# KiCad board Galatea Keyboard PCB.kicad_pcb (continued)
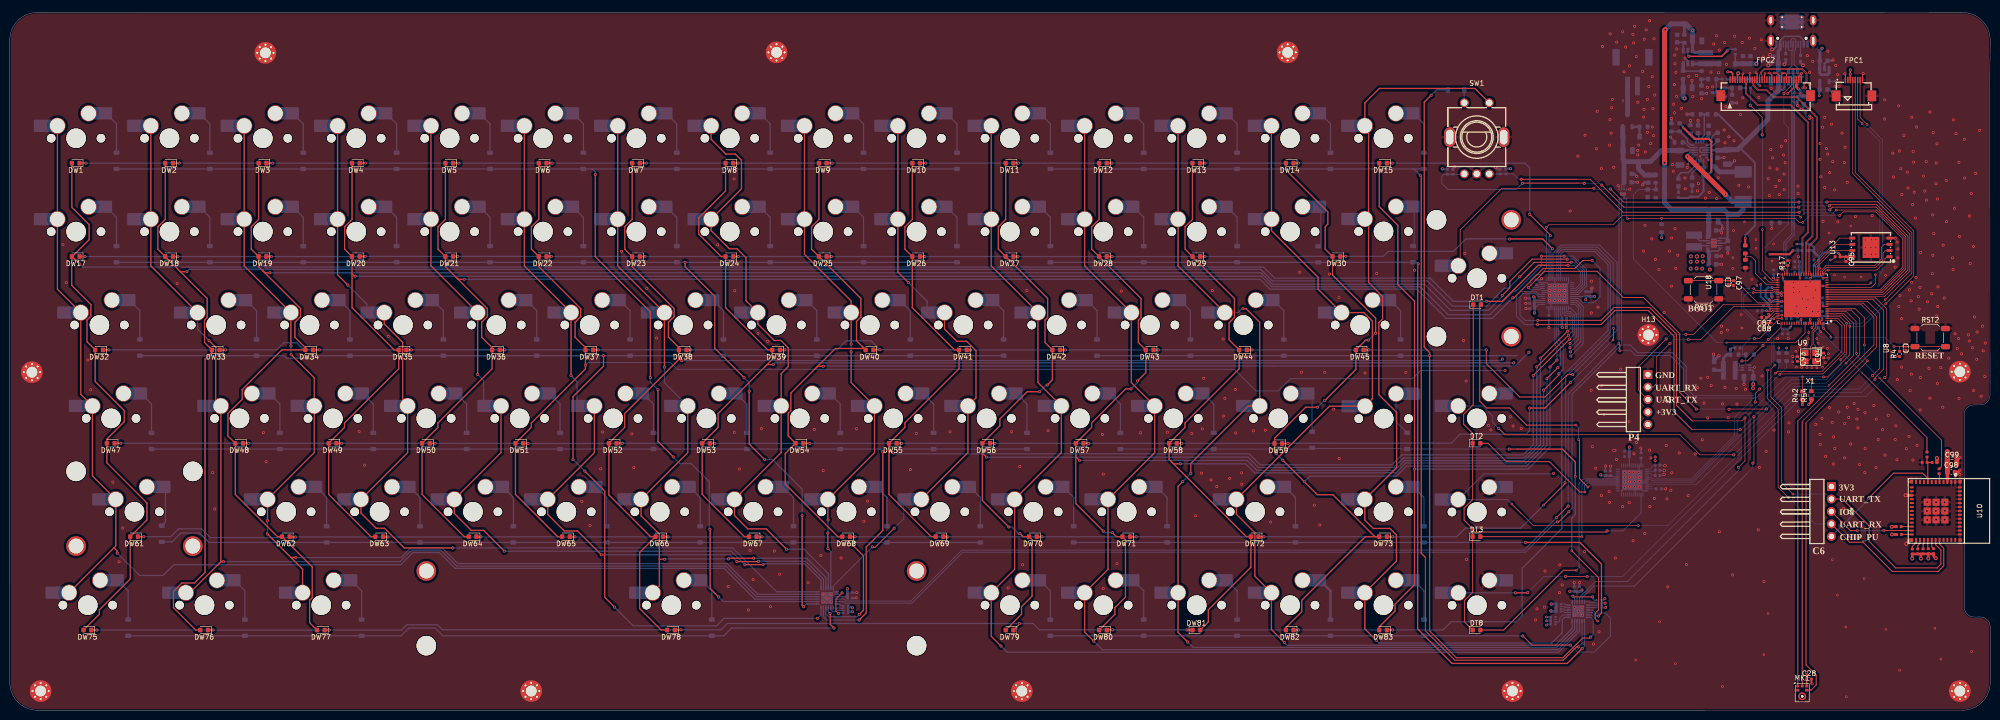
[diagram p0: board, top side]
## Routing (per net, layer and track width the routed paths; a pad name or vN(x,y) marks a point on that pad's centre or on a via; arc(x,y) is an arc through that point)
/ROTARY, TACT SWITCH AND LCD/0V_PIN: length 11.3
  Top w0.3: v1(342.53,133.39) 349.22,133.39 v1(350.32,134.49)
  Bottom w0.3: U4.5 342.32,133.61 v1(342.53,133.39) ; R25.2 350.66,134.83 v1(350.32,134.49)
GND: length 162.9
  Top w0.2: FPC1.8 377.95,129.75 v1(378.08,129.88) ; FPC1.1 374.45,129.7 v1(374.34,129.81) ; FPC2.6 353.44,129.74 v2(353.55,129.84) ; FPC2.29 364.94,129.36 v2(365.52,129.94) 365.44,129.86 FPC2.30 ; v2(354.97,129.93) 354.94,129.9 FPC2.9 ; FPC2.22 361.44,129.83 v2(361.6,129.99) 362.14,129.99 362.44,129.69 FPC2.24 ; FPC2.21 360.94,129.54 360.48,130 v2(359.92,130) ; v2(356.22,130.05) 356.44,129.83 FPC2.12 ; FPC2.18 359.44,129.53 v2(358.97,130) ; FPC2.15 357.94,129.76 v2(358.04,129.86) ; 301.24,92.51 302.89,94.17
  Top w0.3: C28.2 367.5,5.56 v1(367.65,5.41)
  Top w0.4: U13.4 384.62,96.31 v1(384.62,96.3)
  Top w0.5: v1(397.78,48.11) 397.35,48.54 C98.2 397.37,48.54 v1(397.79,48.96) ; v1(396.77,51.66) 397.13,51.3 C99.2 397.13,50.83 v1(397.83,51.53)
  Top w0.6: U10.14 v4(386.72,43.85) ; v4(386.87,33.93) 387.64,34.7 U10.51
  Bottom w0.127: v1(337.45,48.11) 337.22,47.88 C27.2 ; v1(337.5,48.88) 337.46,48.92 C26.2 ; v1(337.63,49.89) 337.52,50 C25.2 ; R11.2 337.78,45.15 v1(337.79,45.16)
  Bottom w0.2: U7.49 332.36,48.35 U7.34 ; U7.49 331.56,46.35 ; U7.49 333.16,44.75 U7.48 ; U7.49 331.16,46.75 U7.43 ; U7.49 328.76,44.75 U7.12 ; U11.2 355.91,69.89 v2(355.92,69.9) ; 331.56,46.35 U7.5 ; 331.56,46.35 U7.44 ; U5.11 343.03,112.78 342.39,112.14 v3(342.39,111.36) ; 314.16,85 313.96,85.2 U3.43 ; U3.34 314.38,83.52 314.31,83.59 ; v3(346.5,112.28) 346.5,112.42 346.17,112.75 U5.6 ; U17.1 328.29,106.81 v1(328.09,107) ; U3.44 v1(315.18,85.6) U3.49 ; 315.74,86.48 315.18,87.04 U3.5 ; U3.12 317.98,87.2 U3.49 ; v1(319.23,20.96) 318.76,21.43 318.76,22.07 U2.19 ; U1.19 168.62,24.11 167.94,24.11 v1(167.55,23.72) ; U5.8 345.01,112.73 v3(344.75,112.98) 345.05,113.28 U5.5 ; U3.49 v1(314.17,86.61) 313.58,87.2 U3.48 312.2,87.2 311.6,87.8 R1.2 ; v1(330.46,106.28) 330.42,106.25 U17.4
  Bottom w0.254: R8.2 339.59,116.13 v1(338.8,116.91) ; v3(347.99,95.82) 348.04,95.78 U15.7 ; 301.22,92.49 301.24,92.51
  Bottom w0.3: R12.2 332.76,53.43 v1(332.72,53.47) ; v1(172.64,22.92) 172.59,22.87 C1.2 ; U15.3 347.22,95.28 v3(347.22,95.28) ; C9.2 309.22,84.03 v1(309.2,84.04) ; v3(329.38,105.33) 329.29,105.24 U17.6 ; C11.2 309.28,81.93 v1(309.27,81.93) ; C3.2 320.19,26.02 v1(320.23,26.07) ; v1(326.55,49.78) 326.51,49.74 C21.2 ; C2.2 172.77,23.98 v1(172.78,23.99) ; R1.2 312.26,87.8 v1(312.5,88.04) ; C10.2 309.25,82.99 v1(309.24,82.98) ; v3(348.01,94.69) 348.1,94.78 U15.9 ; R2.2 313.98,78.06 v1(313.97,78.05) ; C22.2 325.47,49.73 v1(325.56,49.82) ; v2(369.45,77.19) 369,77.64 C54.2 ; C4.2 319.15,26.05 v1(319.13,26.07)
  Bottom w0.381: v2(359.37,98.26) 359.4,98.29 R55.1
  Bottom w0.4: 360.28,135.79 360.28,135.29 359.79,134.8 v4(359.49,134.8) ; U6.2 363.77,129.69 364.24,129.22 365.86,129.22 ; v1(351.85,112.07) 351.18,111.4 C74.2 ; C67.2 371.2,126.62 v2(371.78,126.04) ; C79.2 359.18,131.64 359.09,131.55 v4(358.71,131.55) ; R27.2 343.18,128.47 v1(343.16,128.48) ; C80.2 359.28,128.94 359.07,129.14 ; R33.2 352.29,123.91 v1(352.3,123.89) ; C66.2 v1(373.16,127.26) ; v1(371.94,132.68) 371.74,132.49 C68.2 370.17,131.86 U14.2 ; B1.1 359.37,133.42 v4(359.09,133.7) ; v1(349.22,97.39) 348.73,97.89 C71.2 349.02,97.89 v1(349.33,98.2) 349.35,98.22 349.35,98.88 C29.2 ; v1(349.72,112.78) 349.62,112.68 C18.2 ; v1(365.42,122.54) 365.96,123.08 C69.2 ; v1(341.73,133.03) 342.32,132.45 U4.2 ; Q1.2 349.58,125.88 v1(349.67,125.97) ; v4(362,131.77) 362.29,132.06 R5.2 ; R6.2 365.3,132.05 v4(365.79,131.55) ; C70.2 v1(364.67,123.33) ; C65.2 v1(346.14,125.85)
  Bottom w0.5: v1(353.75,66.47) 353.75,66.48 C41.2 ; R35.2 338.99,120.73 v1(339,120.74) ; C48.2 363.83,87.35 v2(363.9,87.28) ; C49.2 363.82,86.27 v2(363.85,86.24) ; v2(366.42,86.44) 366.43,86.45 R16.2 ; v1(331.87,108.91) 331.38,109.41 C76.2 ; v1(344.4,120.34) 344.4,120.34 C75.2 ; v2(359.49,84.25) 359.38,84.36 C89.2 ; C72.2 349.21,92.66 v1(349.21,92.66) ; v2(363.88,85.22) 363.87,85.21 C35.2 ; v1(303.14,110.71) 303.49,110.36 C20.2 ; C7.2 C8.2 322.6,85.98 v1(322.77,86.15) ; v1(294.78,110.93) 294.38,110.53 C19.2 ; C16.2 350.47,93.25 v1(350.46,93.24) ; v1(317.5,78.06) 317.58,78.14 C5.2 317.6,78.82 C6.2 ; v1(332.07,107.71) 332.06,107.71 C77.2 ; v1(349.21,90.97) 349.21,90.98 C73.2 ; v2(364.23,80.98) 364.22,80.97 C58.2 363.38,80.93 C61.2 ; C40.2 C44.2 367.97,87.57 367.79,87.39 v2(367.28,87.39) ; C52.2 368.89,81.35 v2(368.88,81.36) ; v2(364.89,80.94) 364.69,80.74 C56.2 ; C50.2 368.41,85.76 v2(368.36,85.71) ; v1(342.85,120.3) 342.85,120.3 R7.2 ; v1(342.12,121.6) 342.14,121.59 R38.2
  Bottom w0.6: v1(348.68,72.33) 347.69,71.34 347.56,71.34 347.56,72.62 v1(347.57,72.63) ; C83.2 333.45,107.61 v2(333.02,107.18)
  vias: v1(10.83,94.99) v1(11.51,87.22) v1(15.91,71.44) v1(16.51,65.37) v1(21.02,46.52) v1(22.28,30.28) v1(23.05,37.16) v1(34.13,87.07) v1(41.37,48.47) v1(41.8,41.04) v1(51.73,56.63) v1(52.28,50.7) v1(71.26,56.83) v1(72.36,49.99) v1(77.21,76.27) v1(116.68,42.62) v1(118.36,37.67) v1(120.53,49.24) v1(120.93,56.74) v1(124.76,93.62) v1(126.88,56.37) v1(127.28,49.52) v1(129.93,86.04) v1(131.93,75.92) v1(144.41,94.94) v1(146.53,25.24) v1(147.76,108.39) v1(147.79,56.69) v1(147.88,85.57) v1(148.84,49.2) v1(150.66,20.44) v1(151.01,32.62) v1(151.63,26.64) v1(152.63,76.84) v1(153.33,57.47) v1(154.62,75.26) v1(155.18,21.12) v1(155.96,32.47) v1(157.03,27.74) v1(162.86,26.02) v1(164.1,57.3) v1(165.46,31.57) v1(165.9,23.73) v1(165.92,22.13) v1(165.93,48.87) v1(166.73,22.91) v1(167.56,22.11) v1(169.58,31.04) v1(172.69,57.41) v1(174.21,38.54) v1(174.98,42.64) v1(183.73,49.09) v1(184.95,56.47) v1(191.78,56.8) v1(203.66,24.94) v1(204.37,56.8) v1(206.03,49.7) v1(206.61,29.67) v1(207.48,85.62) v1(211.8,57.02) v1(222.9,56.24) v1(223.07,48.15) v1(223.06,24.82) v1(225.86,29.89) v1(226.73,85.49) v1(230.67,56.58) v1(236.16,56.72) v1(241.12,56.42) v1(241.87,39.66) v1(243.08,48.36) v1(243.25,57.39) v1(243.56,67.72) v1(245.05,46.97) v1(245.31,85.59) v1(246.21,45.61) v1(247.51,75.72) v1(247.57,60.01) v1(247.86,63.62) v1(248.83,47.29) v1(249.99,65.43) v1(250.09,56.55) v1(251.28,48.42) v1(251.31,46.1) v1(253.67,57) v1(256.12,57.13) v1(257.21,38.37) v1(263.16,89.37) v1(263.48,68.94) v1(266.11,41.82) v1(267.23,37.79) v1(268.23,68.94) v1(269.21,88.97) v1(270.06,61.4) v1(271.13,84.17) v1(271.18,51.37) v1(276.46,68.79) v1(278.83,89.09) v1(284.78,68.92) v1(286.57,89.77) v1(296.56,75.42) v1(296.83,93.22) v1(297.08,67.14) v1(297.17,30.78) v1(297.17,30.78) v1(301.62,58.1) v1(302.14,57.16) v1(306.14,59.86) v1(306.67,57.98) v1(308.32,57.45) v1(311.25,18.4) v1(311.54,20.66) v1(313.05,21.01) v1(313.18,28.37) v1(314.12,84.64) v1(314.11,83.6) v1(314.15,85.6) v1(315.12,83.6) v1(315.15,86.58) v1(315.16,84.67) v1(316.09,86.56) v1(316.11,84.66) v1(316.12,83.53) v1(316.12,23.98) v1(316.14,85.64) v1(316.18,29.66) v1(316.67,25.56) v1(317.16,86.56) v1(317.18,85.64) v1(317.17,84.66) v1(317.18,83.56) v1(318.31,101.82) v1(319.14,19.41) v1(319.89,113.03) v1(319.96,20.19) v1(320.73,21) v1(320.76,19.38) v1(321.25,32.36) v1(321.34,117.29) v1(322.62,81.03) v1(322.59,65.26) v1(322.66,87.52) v1(322.82,53.75) v1(323.06,13.49) v1(323.52,49.36) v1(323.66,114.53) v1(323.81,122.18) v1(323.98,82.22) v1(324.2,15.99) v1(324.68,110.51) v1(324.67,43.78) v1(324.73,66.22) v1(324.89,135.4) v1(326.25,44.59) v1(326.42,120.48) v1(326.37,115.26) v1(326.32,42.39) v1(326.46,137.98) v1(326.66,117.72) v1(326.76,122.9) v1(326.9,124.6) v1(327.2,110.75) v1(327.19,52.98) v1(327.43,52.98) v1(327.53,31.04) v1(327.8,136.28) v1(327.74,51.14) v1(328.62,69.55) v1(329.02,138.39) v1(329,41.52) v1(329.29,130.23) v1(329.38,48.54) v1(329.38,47.54) v1(329.41,46.57) v1(329.4,45.49) v1(329.6,135.28) v1(330.38,131.45) v1(330.35,48.53) v1(330.41,47.54) v1(330.42,45.56) v1(330.35,42.33) v1(330.43,46.64) v1(331.11,137.85) v1(331.15,34.58) v1(331.23,136.14) v1(331.24,48.53) v1(331.32,52.3) v1(331.39,47.58) v1(331.39,46.67) v1(331.46,139.51) v1(331.43,45.57) v1(331.77,133.36) v1(331.81,54.59) v1(332.1,124.02) v1(332.09,114.2) v1(332.1,113.28) v1(332.28,115.28) v1(332.3,48.53) v1(332.41,47.53) v1(332.39,46.68) v1(332.41,45.53) v1(333.11,130.28) v1(333.31,120.99) v1(333.27,93.65) v1(333.41,136.88) v1(333.36,122.58) v1(333.52,36.04) v1(333.56,98.92) v1(333.63,113.88) v1(333.82,138.78) v1(334.06,124.6) v1(334.08,117.9) v1(334.35,127.24) v1(334.51,140.65) v1(334.52,53.04) v1(334.55,41.52) v1(334.74,115.58) v1(334.77,51.46) v1(334.96,96.14) v1(335.04,129.22) v1(335.04,118.97) v1(335.18,122.72) v1(335.31,117.21) v1(335.41,136.97) v1(335.48,43.2) v1(335.55,125.5) v1(335.69,91.97) v1(336.4,89.9) v1(337.47,81.12) v1(337.9,54.01) v1(338.03,43.1) v1(338.23,25.17) v1(338.53,93.64) v1(338.84,44.84) v1(339,96.34) v1(338.98,86.51) v1(339.03,48.43) v1(339.18,111.3) v1(339.41,123.63) v1(339.33,109.97) v1(339.56,127.63) v1(339.6,121.87) v1(339.64,133.65) v1(339.68,131.87) v1(339.69,98.23) v1(339.87,130.13) v1(339.85,90.13) v1(340.02,125.23) v1(340.04,134.88) v1(340.27,92.81) v1(340.55,52.46) v1(341.02,122.78) v1(341.75,108.57) v1(341.76,106.35) v1(342.01,29.72) v1(342.16,110.72) v1(342.37,43.78) v1(342.49,129.32) v1(343.32,125.2) v1(343.81,52.27) v1(344.06,129.47) v1(344.26,105.95) v1(344.31,65.8) v1(344.47,107.41) v1(344.97,67.72) v1(345.14,124.74) v1(345.25,55.17) v1(345.62,62.64) v1(345.9,104.46) v1(346.28,127.07) v1(346.36,67.9) v1(346.37,59.61) v1(346.67,105.64) v1(347.03,130.18) v1(347.06,66.25) v1(347.36,127.16) v1(347.59,135.91) v1(348.18,137.58) v1(348.18,104.39) v1(348.51,108.61) v1(348.58,130.05) v1(348.73,134.65) v1(348.73,36.4) v1(349.18,78.33) v1(349.13,77.06) v1(349.4,62.48) v1(349.71,118.36) v1(349.8,136.23) v1(349.89,115.75) v1(349.88,65.87) v1(350.07,123.14) v1(350.21,131.75) v1(350.36,77.54) v1(350.53,59.67) v1(350.67,116.96) v1(351.45,27.59) v1(351.73,116.16) v1(351.86,137.5) v1(352.17,65.64) v1(352.33,62.45) v1(352.71,107.08) v1(353.05,121.55) v1(353.4,136.21) v1(353.52,124.91) v1(354.05,65.46) v1(354.72,106.76) v1(354.85,137.09) v1(355.97,135.01) v1(356.67,36.79) v1(356.8,125.01) v1(356.89,49.53) v1(357.3,136.74) v1(357.46,68.18) v1(357.71,133.24) v1(357.83,26.24) v1(358.28,52.82) v1(358.7,108.42) v1(358.92,104.98) v1(359.05,110.64) v1(359.22,114.38) v1(359.29,126.84) v1(359.59,112.68) v1(359.88,57.15) v1(360.27,106.83) v1(360.51,110.4) v1(360.64,75.8) v1(360.96,108.06) v1(360.98,105.18) v1(361.37,115.05) v1(361.84,113.25) v1(361.95,109.37) v1(361.95,106.17) v1(362.16,111.68) v1(362.27,116.16) v1(362.78,75.83) v1(362.85,56.77) v1(362.93,58.62) v1(364.79,106.9) v1(364.79,105.38) v1(364.84,92.5) v1(364.85,60.98) v1(366.7,133.52) v1(367.15,130.14) v1(367.19,127.66) v1(367.8,132.37) v1(368.41,58.31) v1(369.28,115.59) v1(369.28,112.36) v1(369.27,56.29) v1(369.32,54.24) v1(369.45,108.8) v1(369.68,59.5) v1(369.79,118.92) v1(369.87,99.73) v1(370.23,120.95) v1(370.23,106.63) v1(370.42,51.79) v1(370.57,114.56) v1(370.87,134.43) v1(370.86,113.45) v1(371.19,61.7) v1(371.24,109.67) v1(371.63,119.55) v1(371.75,58.69) v1(371.87,111.9) v1(371.99,50.22) v1(372.03,55.75) v1(372.26,106.14) v1(372.29,53.4) v1(372.48,131.51) v1(372.88,129.63) v1(372.9,99.63) v1(373.08,60.84) v1(373.76,117.71) v1(374.05,41.15) v1(374.24,111.71) v1(374.3,58.44) v1(374.31,51.47) v1(374.39,114.85) v1(374.83,107.69) v1(374.83,61.8) v1(375.12,59.72) v1(375.54,54.31) v1(376.23,62.56) v1(376.5,100.7) v1(376.79,59.41) v1(377.01,61.37) v1(377.01,57.59) v1(377.34,50.11) v1(377.39,35.22) v1(378.42,48.48) v1(378.46,60.69) v1(378.48,53.4) v1(379.92,100.92) v1(380.25,62.17) v1(380.7,49.49) v1(380.74,59.36) v1(381.13,55.21) v1(382.05,57.23) v1(382.48,124.5) v1(382.45,120.61) v1(382.53,52.03) v1(383.18,60.16) v1(384.12,113.64) v1(384.26,108.76) v1(384.6,90.37) v1(384.61,55.23) v1(384.76,58.01) v1(384.96,51.08) v1(385.02,95.49) v1(385.05,67.45) v1(385.15,94.09) v1(385.15,92.28) v1(385.32,123.28) v1(385.35,82.35) v1(385.47,114.08) v1(385.59,84.61) v1(385.76,110.45) v1(385.91,79.87) v1(385.92,70) v1(385.96,105.22) v1(386.39,117.23) v1(386.87,53.34) v1(387.07,109.77) v1(387.22,106.53) v1(387.48,85.77) v1(387.43,55.86) v1(387.66,65.19) v1(387.85,83.51) v1(387.92,68.55) v1(388,120.96) v1(387.98,87.3) v1(388.14,103.14) v1(388.28,113.98) v1(388.23,51.02) v1(388.38,111.8) v1(388.48,105.66) v1(388.73,100.4) v1(388.84,88.29) v1(388.97,118.98) v1(389.07,54.03) v1(389.33,84.37) v1(389.48,81.81) v1(389.68,86.24) v1(389.69,61.28) v1(389.77,93.4) v1(389.73,67.87) v1(390.36,108.95) v1(390.65,105.9) v1(390.94,111.9) v1(390.99,104.06) v1(391.2,83.3) v1(391.5,69.74) v1(391.68,122.03) v1(391.69,63.67) v1(392.04,84.95) v1(392.19,89.04) v1(392.25,101.04) v1(392.29,92.8) v1(392.36,117.82) v1(392.49,97.25) v1(392.98,111.61) v1(392.93,107.4) v1(393.09,80.44) v1(393.13,115.54) v1(393.22,104.3) v1(393.21,66.64) v1(393.29,82.37) v1(393.33,86.37) v1(393.91,69.88) v1(394.31,61.8) v1(394.4,94.86) v1(394.62,84.09) v1(395.01,108.08) v1(395.09,99.66) v1(395.54,71.8) v1(396.29,92.28) v1(396.47,120.43) v1(396.44,89.89) v1(396.7,102.4) v1(396.81,76.78) v1(397.01,117.62) v1(397.26,73.76) v1(397.61,111.76) v1(397.55,75.79) v1(397.71,96.65) v1(397.63,63.58) v1(398.15,72.7) v1(398.7,116.46) v1(398.77,108.56) v1(399.53,76.58) v1(399.72,75.33) v1(399.73,100.82) v1(399.9,91.1) v1(400.12,105.4) v1(400.38,73.93) v1(400.57,94.6) v1(400.6,65.22) v1(400.78,80.22) v1(401.03,109.53) v1(401.31,77.15) v1(401.24,71.58) v1(401.8,118.3) v1(402.15,64.06) v1(402.43,78.34) v1(402.55,73.32) v1(402.89,68.06) v1(402.98,74.89) v2(325.21,60.29) v2(330.31,58.85) v2(331.71,10.24) v2(336.53,18.06) v2(339.78,9.49) v2(349.35,4.83) v2(351.49,92.33) v2(351.46,90.11) v2(351.64,97.85) v2(353.19,80.7) v2(353.34,77.96) v2(353.88,99.63) v2(355.36,87.89) v2(356.2,96) v2(356.22,94.23) v2(356.4,86.65) v2(357.83,11.32) v2(358.67,19.72) v2(359.48,91.64) v2(359.8,95.11) v2(363.72,72.15) v2(363.72,72.15) v2(363.72,71.07) v2(364.36,73.21) v2(364.43,70) v2(364.52,82.41) v2(365.08,85.34) v2(365.18,74.19) v2(365.53,69.93) v2(365.53,69.93) v2(365.69,83.92) v2(366.51,82.13) v2(366.51,74.58) v2(366.61,69.9) v2(366.81,83.72) v2(366.89,75.79) v2(366.98,77.05) v2(367.61,69.87) v2(367.72,81.3) v2(367.91,84.11) v2(368.61,75.8) v2(368.65,69.83) v2(368.88,74.86) v2(369.8,69.97) v2(369.87,74.08) v2(370.32,70.86) v2(370.32,70.86) v2(370.77,73.79) v2(370.97,72.72) v2(371,71.82) v2(371.12,97.35) v2(371.8,30.71) v2(372.24,88.79) v2(372.81,23.47) v2(374.3,88.34) v2(374.54,16.98) v2(374.64,2.75) v2(375.55,98.77) v2(377.63,88.38) v2(378.29,26.84) v2(378.49,94.37) v2(378.45,92.99) v2(378.53,95.91) v2(379.66,94.41) v2(379.78,95.96) v2(379.76,93) v2(380.66,96.05) v2(380.66,94.45) v2(380.66,93) v2(382.66,88.69) v2(382.72,16.48) v2(385.54,8.16) v2(392.7,16.73) v2(393.95,10.4) v2(400.19,11.98) v3(328.74,105.29) v3(347.21,95.83) v3(347.24,94.7) v3(347.6,95.83) v3(347.61,95.28) v3(347.62,94.69) v3(348,95.26) v4(391.09,40.63) v4(391.14,42.43) v4(391.14,38.82) v4(392.89,40.65) v4(392.94,42.43) v4(392.94,38.87) v4(394.69,42.42) v4(394.7,38.87) v4(394.74,40.68)
VBUS: length 61.7
  Top w0.4: R43.1 354.02,94.82 v2(354.02,96.22)
  Bottom w0.3: 347.35,114.27 347.34,114.28 U5.3
  Bottom w0.4: R48.1 348.52,121.57 354.06,116.03 354.06,115.93 ; 352.85,114.72 352.95,114.72 355.99,111.68 355.99,98.83 354.02,96.86 v2(354.02,96.22) ; U6.5 363.77,128.84 363.47,129.14 362.37,129.14 362,128.77 362.04,128.73 362.04,126.78 361.76,126.5 360.84,126.5
  Bottom w0.5: C18.1 347.39,114.23 347.35,114.27
  Bottom w1: L2.2 360.84,129.16 C80.1 360.84,126.5 358.64,124.31 358.64,120.51 352.48,114.35 C74.1 350.25,114.23 C18.1
VCC: length 28.5
  Top w0.4: v3(347.1,109.85) 347.1,116.04 v3(346.59,116.55) 343.68,116.55 v3(341.35,118.88)
  Bottom w0.3: U5.20 345.51,116.34 346.56,117.39 C85.1
  Bottom w0.4: v3(347.1,109.85) 346.28,109.03 R49.1 345.52,105.85 344.42,104.75 R37.1 342.72,104.75 342.45,104.48 340.49,104.48 R3.1 ; v3(341.35,118.88) 341.35,119.03 R36.1 ; C85.1 346.59,117.66 v3(346.59,116.55)
VCC_1.8V: length 12.9
  Top w0.2: v2(362.68,125.79) 363.89,127 363.89,128.58 FPC2.27
  In2.Cu w0.5: v2(369.13,125.36) 368.7,125.79 v2(362.68,125.79)
  Bottom w0.5: v2(369.13,125.36) 369.13,126.53 C67.1
  Bottom w0.6: U14.5 C67.1
VDD_FLASH: length 17.1
  Top w0.127: v2(369.19,90.14) 369.01,89.97 U9.30
  Top w0.381: U13.8 374.58,92.51 C95.1 373.36,92.5 R15.2 373.36,92.9 v2(373.02,93.23)
  Bottom w0.381: v2(369.19,90.14) 369.01,90.32 C45.1 C34.1 369.01,92.49 369.91,93.39 372.86,93.39 v2(373.02,93.23)
  Bottom w0.4: R57.2 367.35,95.09 368.08,94.37 368.08,93.43
  Bottom w0.5: 369.01,92.49 367.7,93.8 R56.2
VDDO_3: length 19.2
  Top w0.127: v2(365.18,88.13) 365.16,88.16 U9.41 ; 359.19,80.62 359.86,81.29 U9.73
  Top w0.254: 358.95,80.38 358.95,80.63 358.81,80.78 v2(358.78,80.78) ; 358.95,80.38 358.69,80.12 C87.1 ; 358.95,80.38 359.19,80.62
  In2.Cu w0.5: v2(358.78,80.78) 359.33,80.78 360.37,81.82 360.37,85.6 362.9,88.13 v2(365.18,88.13)
  Bottom w0.381: v2(365.18,88.13) 365.18,89.26 C39.1 C46.1 365.1,91.49 C47.1
VDDO_4: length 10.9
  Top w0.127: 359.28,79.89 359.28,80.02 360.2,80.94 U9.74 ; 363.4,78.32 363.41,78.33 U9.85
  Top w0.254: 358.75,78.98 C88.1 ; 358.75,78.98 359.28,79.51 359.28,79.89 ; 358.75,78.98 358.85,79.08 359.22,79.08 v2(359.33,78.96) ; 363.4,78.32 v2(363.18,78.1)
  In2.Cu w0.5: v2(363.18,78.1) 360.19,78.1 v2(359.33,78.96)
  Bottom w0.127: C100.1 361.66,77.72 C57.1
  Bottom w0.254: v2(363.18,78.1) 363.12,78.1 C57.1
VDDO_PSRAM: length 16.6
  Top w0.127: U9.59 359.55,86.2 v2(359.51,86.24) ; v2(358.39,81.49) 358.66,81.49 358.87,81.29 359.3,81.29 359.65,81.64 U9.72 ; U9.67 361.47,83.39 v2(361.47,83.38)
  In2.Cu w0.5: v2(358.92,83.68) 358.39,83.15 358.39,82.12 358.38,82.11 358.38,81.51 v2(358.39,81.49)
  Bottom w0.381: v2(358.39,81.49) 358.38,81.48 C86.1 ; C91.1 363.65,83.44 C90.1 362.51,83.38 v2(361.47,83.38)
  Bottom w0.5: v2(359.51,86.24) 358.71,86.24 358.18,85.7 358.18,84.42 v2(358.92,83.68) 359.22,83.38 v2(361.47,83.38)
+BATT: length 35.3
  Bottom w0.254: U17.2 328.79,107.2 C77.1 329.29,107.7 U17.3
  Bottom w0.3: U5.14 342.17,114.28 342.17,114.27
  Bottom w0.6: 342.17,114.27 342.07,114.18 C17.1
  Bottom w1: 329.57,111.91 329.29,111.63 C76.1 C77.1 ; 329.57,111.91 332.26,111.91 ; 329.57,111.91 329.1,112.37 C81.1 329.07,114.22 D74.1 329.03,117.05 Q2.2 ; 332.26,111.91 332.26,110.44 333.52,109.17 C83.1 335.68,109.17 R46.1 ; 332.26,111.91 334.67,111.91 336.94,114.18 C17.1
/KEYBOARD MATRIX/I2C0_SCL: length 326.4
  Top w0.127: v1(356.94,65.5) 356.07,64.63 v1(356.07,62.87) ; v2(360.19,68.75) 360.52,69.08 369.64,69.08 373.74,73.18 373.74,78.36 372.56,79.55 U9.1
  Top w0.2: v1(318.04,40.5) 315.96,38.41 v1(315.71,38.41)
  Bottom w0.127: U7.42 334.65,47.15 335.01,46.79 343.11,46.79 352.34,56.02 352.34,59.07 356.07,62.8 v1(356.07,62.87) ; R40.2 360.88,69.44 v2(360.19,68.75) 355.6,64.16 343.51,64.16
  Bottom w0.2: 343.51,64.16 342,65.67 342,70.1 339.16,72.94 332.11,72.94 330.56,74.5 328.79,74.5 U17.7 ; U1.23 170.1,22.16 170.4,21.85 184.04,21.85 194.41,32.22 309.18,32.22 315.37,38.41 v1(315.71,38.41) ; v1(318.04,40.5) 318.7,41.15 318.7,64.45 328.75,74.5
/KEYBOARD MATRIX/I2C0_SDA: length 326.5
  Top w0.127: U9.2 372.91,79.9 374.3,78.5 374.3,73.03 369.87,68.6 361.16,68.6
  Top w0.2: v2(328.42,73.33) 328.42,74.61 v2(328.23,74.81) ; v1(317.91,41.64) 317.86,41.64 v1(315.49,39.27)
  Bottom w0.127: v2(361.06,68.5) 362.45,69.89 R41.2 ; U7.41 334.75,47.55 335.14,47.16 342.94,47.16 351.82,56.04 351.82,59.71 355.8,63.69 ; 361.16,68.6 356.25,63.69 355.8,63.69 ; 355.8,63.69 342.87,63.69
  Bottom w0.2: v1(317.91,41.64) 317.91,64.49 v2(328.23,74.81) 328.29,74.87 U17.8 ; 342.87,63.69 341.46,65.1 341.46,69.61 338.71,72.36 331.64,72.36 330.58,73.42 328.51,73.42 v2(328.42,73.33) ; U1.22 170.17,22.66 170.56,22.26 183.82,22.26 192.77,31.21 192.78,31.21 194.21,32.64 308.88,32.64 315.49,39.25 v1(315.49,39.27)
/KEYBOARD MATRIX/I2C1_SCL: length 237.9
  Top w0.127: v1(355.79,59.88) 355.79,50.6 v1(355.58,50.39) ; v2(382.56,83.74) 388.01,89.19 388.01,97.42 375.95,109.48 FPC1.4 ; R54.2 367.52,67.42 v2(367.51,67.42) ; U9.3 373.38,80.25 v2(374.71,78.91) 374.71,72.71 v2(373.5,71.5) ; 343.16,57.23 v1(352.98,57.23)
  Top w0.2: 343.16,57.23 339.48,60.91 339.48,76.29 334.22,81.55 327.48,81.55 324.6,78.67 v1(311.65,78.67)
  Bottom w0.127: v1(355.58,50.39) 355.58,49.48 354.33,48.23 354.33,48.21 ; v1(352.98,57.23) 353.14,57.23 v1(355.79,59.88) 363.33,67.42 v2(367.51,67.42) 370.51,67.42 373.5,70.41 v2(373.5,71.5) ; v2(374.71,78.91) 377.73,78.91 v2(382.56,83.74)
  Bottom w0.2: U2.23 320.71,22.92 323.1,25.31 331.43,25.31 354.33,48.21 ; U3.42 311.92,84.8 311.34,85.39 308.18,85.39 307.33,84.54 307.33,80.41 309.07,78.67 v1(311.65,78.67)
/KEYBOARD MATRIX/I2C1_SDA: length 233.8
  Top w0.127: U9.4 373.82,80.6 375.35,79.06 v2(375.35,78.31) 375.35,72.52 370.81,67.98 v2(369.99,67.98) ; R42.2 365.69,67.96 v2(365.67,67.98) ; v1(352.64,49.53) 353.96,50.85 353.96,59.61 v1(353.96,59.62) 353.35,59.01 343.18,59.01 ; FPC1.5 376.45,109.71 388.4,97.76 388.4,88.64 382.68,82.92 v2(382.67,82.92)
  Top w0.2: v1(311.7,79.52) 324.61,79.52 327.25,82.16 334.52,82.16 339.97,76.71 339.97,62.22 343.18,59.01
  Bottom w0.127: v2(382.67,82.92) 378.06,78.31 v2(375.35,78.31) ; v1(353.96,59.62) 362.32,67.98 v2(365.67,67.98) v2(369.99,67.98) ; 352.64,48.91 v1(352.64,49.53)
  Bottom w0.2: 352.64,48.91 329.97,26.24 323.44,26.24 321.36,24.16 321.36,24.16 320.21,23.01 U2.22 ; v1(311.7,79.52) 309.11,79.52 308.07,80.56 308.07,84.38 308.65,84.97 311.2,84.97 311.76,84.4 U3.41
/MCU SECTION/ALERT: length 88.1
  Top w0.127: v2(373.24,100.9) 374,101.66 380.66,101.66 386.08,96.24 386.08,90.35 381.58,85.85 U9.19 ; v2(365.74,99.5) 365.03,99.5 364.2,100.33 v2(336.95,100.33) 330.09,100.33 v2(330.03,100.27)
  Bottom w0.127: v2(365.74,99.5) 367.14,100.9 v2(373.24,100.9) ; v2(330.03,100.27) 329.79,100.52 U17.5 ; R39.2 v2(336.95,100.33)
/MCU SECTION/C6_CHIP_PU: length 32.5
  Top w0.2: C78.1 391.26,50.42 U10.8 391.26,47.3 390.2,48.36 384.28,48.36 379.16,43.24 v1(379.16,43.23) ; C78.1 391.14,50.54 R53.1 ; C78.1 391.09,50.59 R51.2
  Bottom w0.2: v1(379.16,43.23) 379.16,43.02 J4.5
/MCU SECTION/C6_IO2: length 1.7
  Top w0.2: R50.2 393.66,48.15 U10.5
/MCU SECTION/C6_IO9: length 17.8
  Top w0.2: 376.89,36.62 v1(376.86,36.62) 375.49,36.62 371.74,40.37 ; U10.23 v1(382.26,36.65)
  Bottom w0.2: 376.89,36.62 382.23,36.62
/MCU SECTION/C6_U0RXD: length 98.7
  Top w0.127: v2(362.85,43.36) 360.72,45.49 360.72,61.4 358.57,63.55 v2(358.57,69.37) ; U9.60 359.86,85.85 359.6,85.59 356.15,85.59 v2(355.75,85.99)
  Top w0.2: J4.4 375.33,34.26 378.06,34.26 384,28.32 393.37,28.32 394.52,29.46 394.52,33.02 393.66,33.87 U10.31
  Bottom w0.127: v2(362.85,43.36) 368.22,37.99 J4.4 ; v2(355.75,85.99) 353.91,85.99 353.26,85.34 353.26,81.92 359.46,75.72 359.46,70.26 v2(358.57,69.37)
/MCU SECTION/C6_U0TXD: length 96.8
  Top w0.127: v2(355.66,85.19) 355.7,85.23 359.78,85.23 360.05,85.5 U9.61 ; v2(363.75,44.09) 361.38,46.46 361.38,61.76 359.26,63.88 359.26,69.58 v2(360.08,70.4)
  Top w0.2: U10.30 392.86,33.76 393.93,32.69 393.93,29.82 393.14,29.03 384.71,29.03 379.3,34.44 379.3,37.62 373.84,43.07 J4.2
  Bottom w0.127: v2(363.75,44.09) 370.56,44.09 371.74,42.91 ; v2(355.66,85.19) 354.57,85.19 353.67,84.29 353.67,82.13 359.88,75.92 359.88,70.6 v2(360.08,70.4)
/MCU SECTION/CSI_REXT: length 1.8
  Top w0.127: R17.1 362.71,90.72 U9.48
/MCU SECTION/CTP_INT: length 54
  Top w0.127: U9.20 379.7,86.2 380.55,87.05 v2(380.55,88.83) ; FPC1.6 376.95,120.59 v2(377.86,119.68)
  Bottom w0.127: v2(380.55,88.83) 381.49,89.77 381.49,116.05 v2(377.86,119.68)
/MCU SECTION/CTP_RST: length 53.3
  Top w0.127: FPC1.7 377.45,120.92 v2(378.87,119.5) ; U9.22 379.37,86.9 v2(379.65,87.18)
  Bottom w0.127: v2(378.87,119.5) 381.96,116.41 381.96,89.49 v2(379.65,87.18)
/MCU SECTION/DSI_CLK_N: length 56.9
  Top w0.115: FPC2.13 356.94,129.64 357.09,129.78 357.09,130.12 357.86,130.89 365.67,130.89 366.63,129.93 366.63,128.27 366.15,127.79 366.15,127.15 v2(366.35,126.95) ; U9.37 366.57,89.41 366.5,89.48 366.5,95.33 367.85,96.68 367.85,120.8 367.58,121.07 367.35,121.07 v2(367.15,121.27)
  Bottom w0.115: v2(367.15,121.27) 366.96,121.07 366.73,121.07 366.43,121.37 366.43,121.95 367.95,123.47 367.95,125.48 367.2,126.23 366.33,126.23 366.16,126.4 366.16,126.72 ; v2(366.35,126.95) 366.16,126.77 366.16,126.76
/MCU SECTION/DSI_CLK_P: length 56.2
  Top w0.115: U9.38 366.22,89.41 366.29,89.48 366.29,95.42 367.64,96.77 367.64,120.71 367.49,120.86 367.35,120.86 v2(367.15,120.66) ; v2(365.74,126.95) 365.94,127.15 365.94,127.88 366.42,128.36 366.42,129.84 365.58,130.68 357.95,130.68 357.3,130.03 357.3,129.78 357.44,129.64 FPC2.14
  Bottom w0.115: 365.95,126.72 365.95,126.31 366.24,126.02 367.11,126.02 367.74,125.39 367.74,123.56 366.22,122.04 366.22,121.28 366.64,120.86 366.96,120.86 v2(367.15,120.66) ; 365.94,126.76 v2(365.74,126.95)
/MCU SECTION/DSI_DATA0_N: length 50
  Top w0.115: U9.40 365.51,89.17 365.58,89.24 365.58,96.37 366.72,97.51 366.72,119.89 363.21,123.4 356.45,123.4 354.07,125.78 354.07,127.79 354.09,127.81 354.09,127.95 353.94,128.09 FPC2.7 353.94,129.16
